# Allegro board LAY-95869_A.brd (continued)
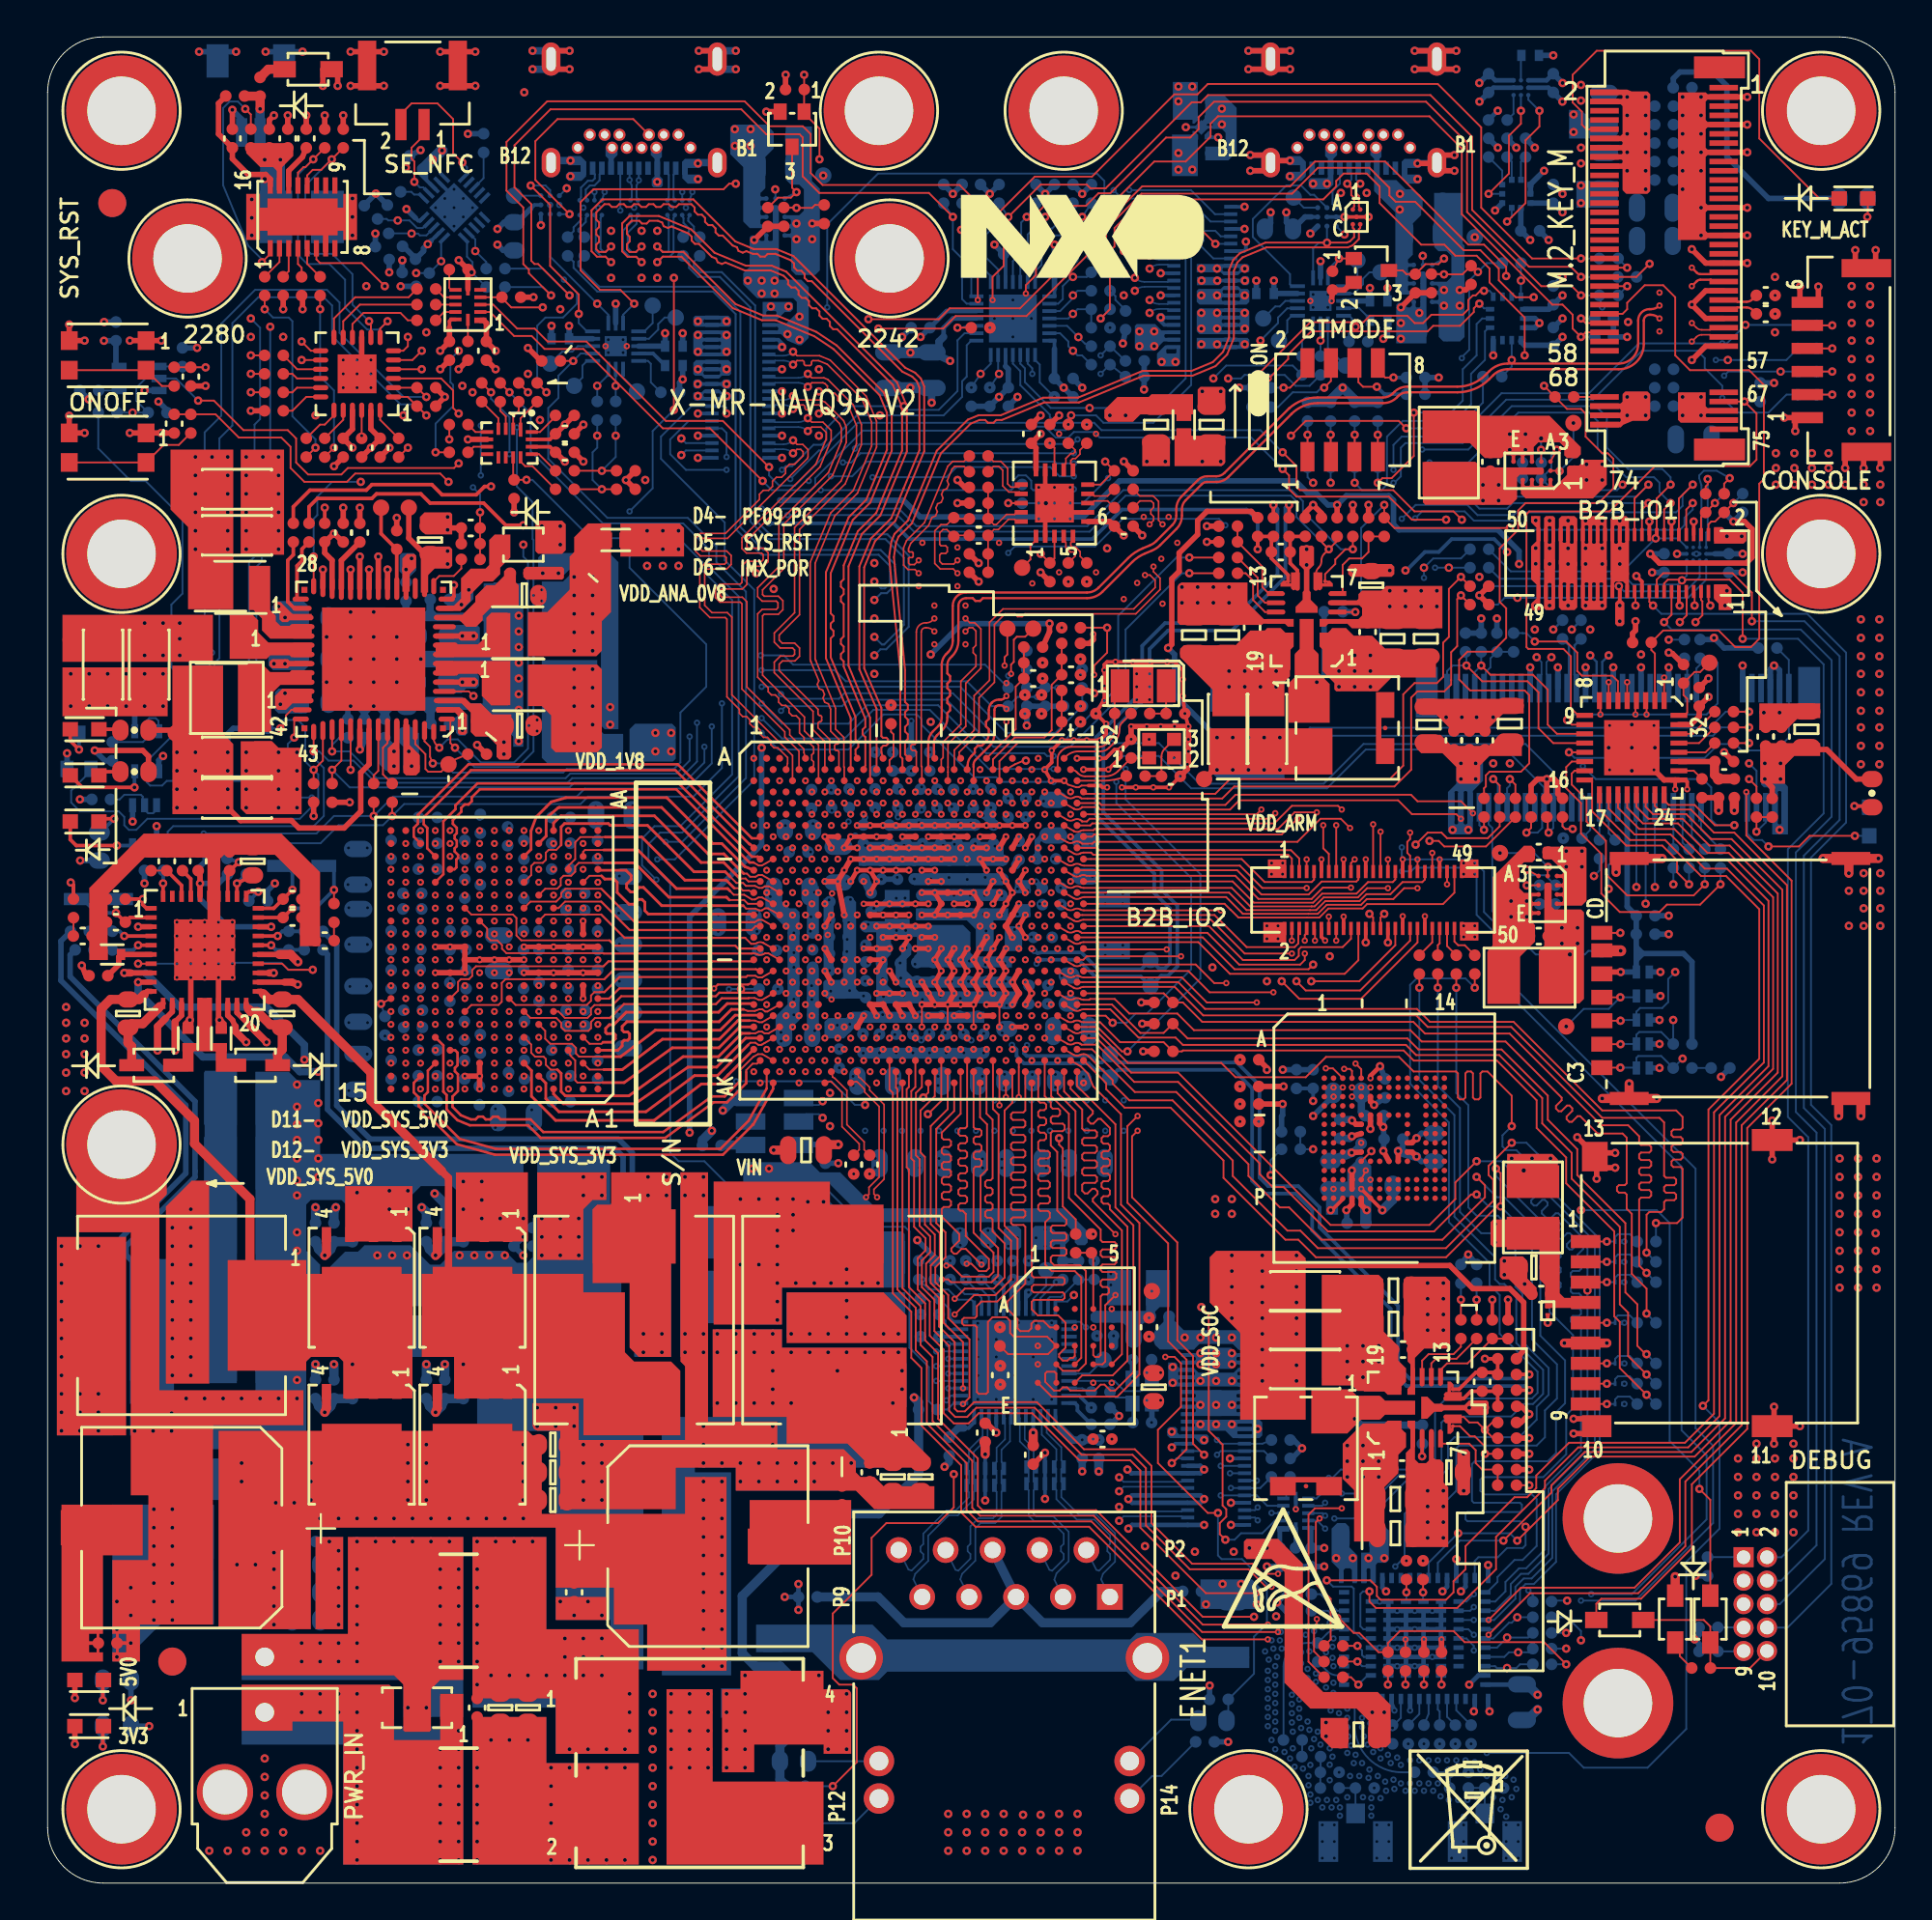
[diagram p0: board, top side]
## Routing (per net, layer and track width the routed paths; a pad name or vN(x,y) marks a point on that pad's centre or on a via; arc(x,y) is an arc through that point) (continued)
  BOTTOM w0.102: v3(54.49,80.5) 53.7,81.29 53.7,82.25 53.45,82.5 U31.8 ; R267.2 84.84,55.49 84.5,55.15 v1(84.5,53.85) ; v3(84.15,85.35) R196.2 v1(83,86)
M2_SMBUS_CLK: length 99.3
  TOP w0.102: v7(50.35,85.75) 50.35,89.35 53.43,92.43 56.53,92.43 60.99,96.89 62.24,96.89 62.8,97.45 75.25,97.45 77.6,95.1 77.6,90.75 80.35,88 v1(83,88)
  L4_GND2 w0.3: v7(50.35,85.75) v6(49.95,85.75)
  L7_GND3 w0.3: v7(50.35,85.75) v6(49.95,85.75)
  L8_IN2 w0.102: v3(82.04,56.6) 82.6,56.04 82.6,53.75 83,53.35 84.7,53.35 85.1,53.75 85.1,54.3 85.6,54.8 85.6,59.25 85.25,59.6 85.25,61.65 87.05,63.45 87.05,68.55 87.45,68.95 87.45,72.1 86.25,73.3 86.25,76.05 87.25,77.05 87.25,81.18 85.1,83.33 85.1,86.4 83.5,88 v1(83,88) ; v3(50,81.01) 50.35,81.36 v7(50.35,85.75)
  BOTTOM w0.102: R188.2 v1(83,88) ; U31.14 51.05,82.3 v2(50.5,81.75) v3(50,81.01)
M2_SMBUS_DATA: length 90.2
  TOP w0.102: v1(83,87) 82.45,87.55 80.2,87.55 80.18,87.57 80.17,87.57 77.11,90.63 77.11,94.59 74.85,96.85 62.81,96.85 62.42,96.46 61.93,96.46 57.27,91.8 56.45,91.8 56.25,92 53.75,92 51.75,90 51.75,87.6 51.15,87 v7(51.15,85.75)
  L4_GND2 w0.3: v7(51.15,85.75) v6(51.55,85.75)
  L7_GND3 w0.3: v7(51.15,85.75) v6(51.55,85.75)
  L8_IN2 w0.102: v1(83.7,54.55) 83.7,57.33 83.55,57.48 83.55,61.8 85.5,63.75 85.5,66.95 84.25,68.2 84.25,68.45 83.75,68.95 83.75,86.25 v1(83,87) ; v3(51,81.01) 51,81.5 50.85,81.65 50.85,85.45 v7(51.15,85.75)
  BOTTOM w0.102: R192.2 v1(83,87) ; v1(83.7,54.55) 84,54.85 R268.2 ; U31.13 51.45,81.8 v2(51.5,81.75) v3(51,81.01)
MIPI_CSI_CLK_N: length 41.1
  L3_IN1 w0.091: v4(43.47,57.89) 43.46,57.9 43.46,58.42 43.46,60.54 42.45,61.55 42.45,72.12 46.88,76.55 47.92,76.55 50.2,78.83 50.2,81.1 54.08,84.98 55.4,84.98 58.07,87.65 59.45,87.65 v1(59.65,87.45)
  BOTTOM w0.089: J14.17 60.69,87.6 60.62,87.67 60.17,87.67 arc(59.89,87.61) v1(59.65,87.45)
MIPI_CSI_CLK_P: length 41
  L3_IN1 w0.091: v4(43.12,58.5) 43.17,58.55 43.17,60.42 42.16,61.43 42.16,72.24 46.76,76.84 47.8,76.84 49.91,78.95 49.91,81.22 53.95,85.27 55.27,85.27 57.95,87.95 59.45,87.95 v1(59.65,88.15)
  BOTTOM w0.089: J14.15 60.69,88 60.62,87.93 60.17,87.93 arc(59.89,87.99) v1(59.65,88.15)
MIPI_CSI_D0_N: length 44.4
  L3_IN1 w0.091: v4(44.87,57.89) 44.87,64.5 44.15,65.22 44.15,71.45 44.65,71.96 45.58,71.96 47.28,73.66 50.23,73.66 52.35,75.77 52.35,76.79 52.44,76.88 53.19,76.88 53.45,77.14 53.45,77.75 53.19,78.02 52.44,78.02 52.35,78.11 52.35,79.1 55.55,82.3 55.84,82.3 57.12,81.01 57.5,81.01 57.93,81.44 57.93,81.81 56.65,83.09 56.65,83.4 57.79,84.54 58,84.54 58.17,84.71 58.17,84.92 58.5,85.25 59.45,85.25 v1(59.65,85.05)
  BOTTOM w0.089: J14.29 60.69,85.2 60.62,85.27 60.17,85.27 arc(59.89,85.21) v1(59.65,85.05)
MIPI_CSI_D0_P: length 44.2
  L3_IN1 w0.091: v4(44.52,58.5) 44.58,58.56 44.58,64.37 43.86,65.09 43.86,71.58 44.53,72.25 45.45,72.25 47.15,73.95 50.11,73.95 52.06,75.9 52.06,76.91 52.32,77.17 53.06,77.17 53.16,77.26 53.16,77.63 53.06,77.72 52.32,77.72 52.06,77.98 52.06,79.22 55.42,82.59 55.96,82.59 57.25,81.3 57.38,81.3 57.63,81.56 57.63,81.69 56.36,82.96 56.36,83.53 58.38,85.55 59.45,85.55 v1(59.65,85.75)
  BOTTOM w0.089: J14.27 60.69,85.6 60.62,85.53 60.17,85.53 arc(59.89,85.59) v1(59.65,85.75)
MIPI_CSI_D1_N: length 44.3
  L3_IN1 w0.091: v1(58.85,86.25) 58.65,86.45 58.12,86.45 57.52,85.86 57.52,85.64 57.35,85.47 57.13,85.47 56.47,84.81 56.47,84.59 56.3,84.42 56.08,84.42 55.17,83.5 54.8,83.5 54.41,83.89 54.28,83.89 54.02,83.63 54.02,83.5 54.41,83.11 54.41,82.74 53.98,82.31 53.6,82.31 53.22,82.69 53.09,82.69 52.83,82.43 52.83,82.31 53.21,81.92 53.21,81.55 52.82,81.15 51.45,81.15 51.09,80.79 51.09,78.13 50.83,77.87 50.48,77.87 50.38,77.77 50.38,77.41 50.48,77.32 50.83,77.32 51.09,77.05 51.09,75.95 50.35,75.2 46.71,75.2 43.3,71.79 43.3,62.91 43.45,62.77 43.45,62.52 43.3,62.37 43.3,62 43.51,61.79 43.72,61.79 43.89,61.62 43.89,61.41 44.07,61.23 44.07,60.83 44.22,60.67 44.22,60.42 44.07,60.27 44.07,60.02 44.22,59.88 44.22,59.62 44.07,59.48 44.07,59.21 v4(44.17,59.11)
  BOTTOM w0.089: J14.23 60.69,86.4 60.62,86.47 59.37,86.47 arc(59.09,86.41) v1(58.85,86.25)
MIPI_CSI_D1_P: length 44.6
  L3_IN1 w0.091: v1(58.85,86.95) 58.65,86.75 58,86.75 55.05,83.8 54.92,83.8 54.53,84.18 54.16,84.18 53.73,83.75 53.73,83.38 54.11,82.99 54.11,82.86 53.85,82.6 53.72,82.6 53.34,82.99 52.97,82.99 52.54,82.56 52.54,82.18 52.92,81.8 52.92,81.67 52.69,81.44 51.33,81.44 50.8,80.92 50.8,78.25 50.71,78.16 50.35,78.16 50.09,77.9 50.09,77.29 50.35,77.02 50.71,77.02 50.8,76.93 50.8,76.07 50.22,75.49 46.59,75.49 43.01,71.91 43.01,61.88 43.78,61.11 43.78,59.09 43.78,59.08 43.78,58.54 v4(43.82,58.5)
  BOTTOM w0.089: J14.21 60.69,86.8 60.62,86.73 59.37,86.73 arc(59.09,86.79) v1(58.85,86.95)
MIPI_CSI_D2_N: length 42.9
  L3_IN1 w0.091: v1(58.85,88.65) 58.65,88.85 58.06,88.85 57.71,88.71 57.68,88.68 57.68,88.46 57.5,88.29 57.29,88.29 57.11,88.11 57.11,87.9 56.93,87.72 56.72,87.72 56.54,87.54 56.54,87.33 56.37,87.16 56.16,87.16 55.07,86.07 53.89,86.07 49.1,81.28 49.1,79.95 47.23,78.08 46.85,78.08 46.56,78.37 46.43,78.37 46.17,78.11 46.17,77.98 46.47,77.69 46.47,77.32 41.6,72.45 41.6,63.5 41.75,63.35 41.75,63.1 41.6,62.95 41.6,62.7 41.75,62.55 41.75,62.3 41.6,62.15 41.6,61.9 41.75,61.75 41.75,61.5 41.6,61.35 41.6,61.1 42.08,60.62 42.29,60.62 42.47,60.44 42.47,60.23 42.77,59.93 42.77,59.14 v4(42.77,59.11)
  BOTTOM w0.089: J14.11 60.69,88.8 60.62,88.87 59.37,88.87 arc(59.09,88.81) v1(58.85,88.65)
MIPI_CSI_D2_P: length 43.1
  L3_IN1 w0.091: v1(58.85,89.35) 58.65,89.15 58,89.15 57.54,88.96 54.95,86.36 53.76,86.36 48.81,81.41 48.81,80.07 47.1,78.37 46.98,78.37 46.68,78.67 46.31,78.67 45.88,78.24 45.88,77.86 46.17,77.57 46.17,77.44 41.31,72.57 41.31,60.98 42.48,59.81 42.48,59.27 42.45,59.24 42.45,58.53 v4(42.42,58.5)
  BOTTOM w0.089: J14.9 60.69,89.2 60.62,89.13 59.37,89.13 arc(59.09,89.19) v1(58.85,89.35)
MIPI_CSI_D3_N: length 44.5
  L3_IN1 w0.091: v1(59.65,89.85) 59.45,90.05 59.05,90.05 58.91,89.9 58.66,89.9 58.51,90.05 57.79,90.05 57.62,89.88 57.62,89.71 57.4,89.49 57.23,89.49 55.75,88.01 55.41,87.87 55.33,87.68 55.1,87.58 54.91,87.66 53.42,87.05 52.9,86.61 49.54,83.25 48.8,83.25 48.2,82.65 48.2,81.4 44.78,77.98 44.78,76.81 40.75,72.78 40.75,60.66 42.06,59.35 42.06,57.89 v4(42.07,57.89)
  BOTTOM w0.089: J14.5 60.69,90 60.62,90.07 60.17,90.07 arc(59.89,90.01) v1(59.65,89.85)
MIPI_CSI_D3_P: length 44.2
  L3_IN1 w0.091: v1(59.65,90.55) 59.45,90.35 57.67,90.35 55.58,88.26 53.27,87.3 52.7,86.83 51.06,85.19 49.42,83.54 48.68,83.54 47.91,82.77 47.91,81.52 44.49,78.1 44.49,76.94 40.46,72.91 40.46,60.54 40.99,60 40.99,59.79 41.17,59.61 41.38,59.61 41.77,59.22 41.77,58.55 v4(41.72,58.5)
  BOTTOM w0.089: J14.3 60.69,90.4 60.62,90.33 60.17,90.33 arc(59.89,90.39) v1(59.65,90.55)
MIPI_DSICSI_CLK_N: length 29
  TOP w0.089: U12.C11 41.73,59.72 41.73,61.64 40.97,62.41 40.97,63.16 38.7,65.43 38.7,68.64 38.79,68.73 39.55,68.73 39.8,68.97 39.8,69.46 39.55,69.71 38.79,69.71 38.7,69.8 38.7,70.05 39.85,71.2 39.85,73.61 42.49,76.25 43.23,78.04 43.23,78.87 43.09,79.21 42.09,80.21 41.8,80.33 40.57,80.33 v1(40.35,80.55)
  BOTTOM w0.089: J15.17 39.31,80.4 39.38,80.33 39.83,80.33 arc(40.11,80.39) v1(40.35,80.55)
MIPI_DSICSI_CLK_P: length 28.9
  TOP w0.089: v1(40.35,79.85) 40.57,80.07 40.89,80.07 arc(40.97,80.03) 41,79.95 41,79.89 arc(41.03,79.83) 41.09,79.8 41.26,79.8 arc(41.32,79.83) 41.35,79.89 41.35,79.98 arc(41.38,80.04) 41.44,80.07 41.75,80.07 41.93,79.99 42.86,79.06 42.96,78.82 42.96,78.09 42.26,76.4 39.58,73.72 39.58,71.31 38.43,70.16 38.43,69.68 38.68,69.44 39.44,69.44 39.53,69.35 39.53,69.08 39.44,69 38.68,69 38.43,68.75 38.43,65.32 39,64.75 39,64.53 39.18,64.36 39.39,64.36 39.57,64.18 39.57,63.97 39.75,63.79 39.96,63.79 40.13,63.62 40.13,63.4 40.31,63.23 40.52,63.23 40.7,63.05 40.7,62.3 40.95,62.05 40.95,61.85 41.05,61.75 41.25,61.75 41.46,61.53 41.46,61.21 41.36,61.11 41.36,60.84 41.46,60.74 41.46,60.54 U12.B10
  BOTTOM w0.089: J15.15 39.31,80 39.38,80.07 39.83,80.07 arc(40.11,80.01) v1(40.35,79.85)
MIPI_DSICSI_D0_N: length 28.6
  TOP w0.089: v1(40.35,82.95) 40.57,82.73 41.78,82.73 42.36,82.49 44.31,80.54 44.87,79.18 44.87,77.78 43.83,75.28 42.61,74.06 41.55,71.49 41.55,66.3 41.58,66.22 41.58,66.22 42.6,63.75 42.65,63.64 42.65,62.51 43.1,62.06 43.1,60.46 43.12,60.44 U12.C15
  BOTTOM w0.089: J15.29 39.31,82.8 39.38,82.73 39.83,82.73 arc(40.11,82.79) v1(40.35,82.95)
MIPI_DSICSI_D0_P: length 28.5
  TOP w0.089: U12.B14 42.83,60.38 42.83,61.26 arc(42.81,61.32) 42.74,61.35 42.69,61.35 arc(42.63,61.38) 42.6,61.44 42.6,61.61 arc(42.63,61.67) 42.69,61.7 42.74,61.7 arc(42.81,61.73) 42.83,61.79 42.83,61.95 42.38,62.4 42.38,63.59 42.26,63.88 42.07,63.96 41.97,64.19 42.05,64.39 41.96,64.62 41.76,64.7 41.66,64.93 41.74,65.13 41.32,66.16 41.32,66.17 41.28,66.25 41.28,71.55 42.38,74.21 43.61,75.44 44.6,77.84 44.6,79.13 44.08,80.39 42.2,82.27 41.73,82.47 41.44,82.47 arc(41.38,82.44) 41.35,82.38 41.35,82.29 arc(41.32,82.23) 41.26,82.2 41.04,82.2 arc(40.98,82.23) 40.95,82.29 40.95,82.38 arc(40.92,82.44) 40.86,82.47 40.57,82.47 v1(40.35,82.25)
  BOTTOM w0.089: J15.27 39.31,82.4 39.38,82.47 39.83,82.47 arc(40.11,82.41) v1(40.35,82.25)
MIPI_DSICSI_D1_N: length 29.3
  TOP w0.089: v1(41.15,81.75) 41.37,81.53 42.02,81.53 42.23,81.45 43.61,80.07 44.05,79 44.05,77.91 43.17,75.79 40.7,73.32 40.7,68.7 39.6,67.6 39.6,67.33 39.76,67.17 40.43,67.17 40.7,66.9 40.7,66.45 40.45,66.2 39.78,66.2 39.6,66.02 39.6,65.68 41.7,63.58 41.7,63.34 arc(41.73,63.28) 41.79,63.25 41.81,63.25 arc(41.87,63.22) 41.9,63.16 41.9,62.99 arc(41.87,62.93) 41.81,62.9 41.79,62.9 arc(41.73,62.87) 41.7,62.81 41.7,62.58 42.34,61.94 42.34,61.28 U12.A13
  BOTTOM w0.089: J15.23 39.31,81.6 39.38,81.53 40.63,81.53 arc(40.91,81.59) v1(41.15,81.75)
MIPI_DSICSI_D1_P: length 29.5
  TOP w0.089: U12.B12 42.07,61.83 41.43,62.47 41.43,63.47 39.33,65.57 39.33,66.13 39.67,66.47 40.34,66.47 40.43,66.56 40.43,66.79 40.32,66.9 39.65,66.9 39.33,67.22 39.33,67.71 40.43,68.81 40.43,73.43 42.95,75.94 43.78,77.96 43.78,78.95 43.38,79.92 43.16,80.14 42.95,80.14 42.78,80.31 42.78,80.52 42.6,80.7 42.39,80.7 42.21,80.88 42.21,81.09 42.08,81.22 41.97,81.27 41.37,81.27 v1(41.15,81.05)
  BOTTOM w0.089: J15.21 39.31,81.2 39.38,81.27 40.63,81.27 arc(40.91,81.21) v1(41.15,81.05)
MIPI_DSICSI_D2_N: length 28.9
  TOP w0.089: v1(41.15,79.35) 41.37,79.13 41.97,79.13 42.41,78.69 42.41,78.16 41.81,76.71 37.85,72.75 37.85,72.4 37.94,72.31 38.75,72.31 39,72.06 39,71.57 38.75,71.33 37.94,71.33 37.85,71.24 37.85,70.34 37.6,70.1 36.51,70.1 36.42,70.01 36.42,69.74 36.51,69.65 37.6,69.65 37.85,69.41 37.85,64.79 40.17,62.47 40.17,62.19 40.94,61.42 40.94,61.24 U12.A9
  BOTTOM w0.089: J15.11 39.31,79.2 39.38,79.13 40.63,79.13 arc(40.91,79.19) v1(41.15,79.35)
MIPI_DSICSI_D2_P: length 29.1
  TOP w0.089: v1(41.15,78.65) 41.37,78.87 41.86,78.87 42.14,78.58 42.14,78.22 41.58,76.86 37.58,72.86 37.58,72.64 37.58,72.29 37.83,72.04 38.64,72.04 38.73,71.95 38.73,71.68 38.64,71.6 37.83,71.6 37.58,71.35 37.58,70.45 37.49,70.36 36.4,70.36 36.15,70.12 36.15,69.63 36.4,69.38 37.49,69.38 37.58,69.3 37.58,64.68 39.9,62.36 39.9,62.08 40.67,61.31 U12.B8
  BOTTOM w0.089: J15.9 39.31,78.8 39.38,78.87 40.63,78.87 arc(40.91,78.81) v1(41.15,78.65)
MIPI_DSICSI_D3_N: length 28.7
  TOP w0.089: v1(40.35,78.15) 40.57,77.93 40.87,77.93 41.16,77.64 41.16,77.25 41.12,77.16 36.8,72.84 35.45,72.84 35.35,72.74 35.35,72.24 35.44,72.15 36.75,72.15 37,71.91 37,71.42 36.75,71.18 35.66,71.18 35.57,71.09 35.57,69.21 35.96,68.82 36.79,68.82 37.04,68.57 37.04,64.36 40.32,61.08 U12.C7
  BOTTOM w0.089: J15.5 39.31,78 39.38,77.93 39.83,77.93 arc(40.11,77.99) v1(40.35,78.15)
MIPI_DSICSI_D3_P: length 28.6
  TOP w0.089: U12.B6 40.05,60.65 40.05,60.97 39.53,61.49 39.32,61.49 39.14,61.67 39.14,61.88 38.97,62.06 38.75,62.06 38.58,62.23 38.58,62.45 38.4,62.62 38.19,62.62 38.01,62.8 38.01,63.01 37.83,63.19 37.62,63.19 37.44,63.37 37.44,63.58 36.77,64.25 36.77,68.46 36.68,68.55 35.85,68.55 35.3,69.1 35.3,71.2 35.55,71.44 36.64,71.44 36.73,71.53 36.73,71.8 36.64,71.89 35.33,71.89 35.08,72.13 35.08,72.85 35.34,73.11 36.69,73.11 38.53,74.95 38.53,75.23 38.74,75.44 39.03,75.44 39.24,75.65 39.24,75.94 39.45,76.15 39.73,76.15 39.94,76.36 39.94,76.64 40.16,76.86 40.44,76.86 40.89,77.31 40.89,77.53 40.76,77.66 40.56,77.66 v1(40.35,77.45)
  BOTTOM w0.089: J15.3 39.31,77.6 39.38,77.67 39.83,77.67 arc(40.11,77.61) v1(40.35,77.45)
MX_POR_B: length 10.8
  L3_IN1 w0.102: v5(55,64.9) 55,64.84 54.5,63.76 54.5,62.85 53.35,61.7 52.65,61.7 52.31,61.36 52.31,59.37 v4(52.57,59.11)
  L4_GND2 w0.3: v6(54.65,65.15) v5(55,64.9)
  L7_GND3 w0.3: v9(54.65,64.75) v6(54.65,65.15)
  BOTTOM w0.102: C181.1 R248.2 R249.2 v9(54.65,64.75)
ONOFF: length 68
  TOP w0.102: v1(21.7,75.9) 21.25,76.35 16.65,76.35 16.2,75.9 13.9,75.9 13.15,76.65 13.15,77.8 12.65,78.3 10.35,78.3 9.09,79.56 R38.2 C9.1
  L3_IN1 w0.102: v5(54.35,64.25) 54.15,64.05 54.15,62.85 53.24,61.94 52.44,61.94 52.07,61.57 52.07,58.99 51.87,58.51 v4(51.87,57.89) ; v9(38.65,65.7) 38.95,66 38.95,66.75 37.05,68.65 31.25,68.65 30.82,68.22 25.32,68.22 23.9,69.65 23.9,74.3 23.35,74.85 22.75,74.85 v1(21.7,75.9)
  L4_GND2 w0.3: v6(53.95,64.25) v5(54.35,64.25) ; v9(38.65,65.7) v6(39.05,65.7)
  L7_GND3 w0.3: v9(38.65,65.7) v6(39.05,65.7) ; v9(53.55,64.25) v6(53.95,64.25)
  BOTTOM w0.102: v9(38.65,65.7) 42.6,65.7 43.2,65.1 49.75,65.1 51.1,63.75 R251.2 52,63.75 52.5,64.25 v9(53.55,64.25)
P3H_CP_SEL: length 76.5
  TOP w0.102: v1(57,84.75) 57.5,85.25 57.5,88.4 57.75,88.65 57.75,89.65 59.3,91.2 69.05,91.2 69.75,91.9 69.75,92.2 70.15,92.6 71.4,92.6 72.1,91.9 72.1,91 74.35,88.75 75.6,88.75 76.2,88.15 77.35,88.15 78.05,87.45 78.05,86.7 79.95,84.8 v1(79.95,82.75) ; U10.24 87.5,58.65 87.75,58.4 89.15,58.4 90.25,57.3 v1(91.3,57.3)
  L8_IN2 w0.102: v1(79.95,82.75) 79.95,80.6 82.75,77.8 82.75,69.16 83.1,68.81 83.44,68.81 83.7,68.55 83.7,68.25 85.2,66.75 85.2,64.15 83.1,62.05 v3(83.1,60.5)
  BOTTOM w0.102: v1(57,84.75) 57.5,85.25 R197.1 ; v3(83.1,60.5) 83.8,59.8 89.6,59.8 90.05,59.35 90.05,57.6 90.35,57.3 v1(91.3,57.3)
PCIE1_CLKIN_N: length 27.7
  TOP w0.089: R48.2 49.6,77.01 48.99,77.01 48.73,76.75 47.46,73.69 46.49,72.72 46.33,72.33 46.33,71.39 46.57,71.15 46.95,71.15 v4(47.15,70.95) ; U12.C31 48.74,59.73 48.74,60.18 48.74,60.46 48.74,60.46 48.74,61.7 49.7,62.66 49.7,64.99 50.52,65.81 50.52,67.93 50.18,68.27 49.92,68.27 v4(49.68,68.5)
  L3_IN1 w0.091: v4(47.15,70.95) 47.3,71.1 arc(47.36,71.14) 47.43,71.15 47.54,71.15 arc(47.97,71.33) 48.15,71.76 48.15,71.86 arc(48.18,72.04) 48.28,72.18 48.56,72.46 arc(48.83,72.64) 49.15,72.71 49.67,72.71 arc(49.91,72.66) 50.11,72.52 50.62,72.01 arc(50.82,71.72) 50.89,71.38 50.89,69.37 arc(50.83,69.08) 50.66,68.82 50.17,68.33 arc(50.13,68.31) 50.08,68.3 49.94,68.3 arc(49.89,68.31) 49.84,68.34 v4(49.68,68.5)
PCIE1_CLKIN_P: length 27.6
  TOP w0.089: R51.2 49.6,76.74 49.1,76.74 48.96,76.6 48.69,75.96 48.77,75.76 48.68,75.53 48.48,75.45 48.39,75.22 48.47,75.02 48.37,74.79 48.18,74.71 48.08,74.48 48.16,74.29 48.07,74.05 47.87,73.97 47.69,73.54 46.72,72.57 46.6,72.28 46.6,72.15 46.65,72.1 46.8,72.1 46.85,72.05 46.85,71.85 46.8,71.8 46.65,71.8 46.6,71.75 46.6,71.5 46.68,71.42 46.92,71.42 v4(47.15,71.65) ; U12.B30 48.37,60.86 48.47,60.96 48.47,61.81 49.43,62.77 49.43,65.1 50.25,65.92 50.25,66.5 50.1,66.65 50.1,66.9 50.25,67.05 50.25,67.82 50.07,68 49.88,68 v4(49.68,67.8)
  L3_IN1 w0.091: v4(47.15,71.65) 47.29,71.51 arc(47.36,71.46) 47.45,71.45 47.54,71.45 arc(47.76,71.54) 47.86,71.76 47.86,71.86 arc(47.91,72.15) 48.07,72.39 48.35,72.67 arc(48.72,72.91) 49.15,73 49.67,73 arc(50.02,72.93) 50.32,72.73 50.83,72.22 arc(51.09,71.83) 51.18,71.38 51.18,69.37 arc(51.1,68.96) 50.87,68.62 50.38,68.13 arc(50.24,68.04) 50.08,68.01 49.94,68.01 arc(49.89,68) 49.85,67.97 v4(49.68,67.8)
PCIE1_CLKIN_R_N: length 3
  TOP w0.089: U7.16 52.57,75.62 52.14,75.62 51.97,75.79 51.97,76.63 51.59,77.01 51.2,77.01 R48.1
PCIE1_CLKIN_R_P: length 3
  TOP w0.089: U7.17 52.6,75.35 52.03,75.35 51.7,75.68 51.7,76.52 51.48,76.74 51.2,76.74 R51.1
PCIE1_CLKREQ_B: length 43.4
  TOP w0.102: U7.18 v1(52,74.75) ; v7(60.57,50.57) 56.12,50.57 U12.V52
  L4_GND2 w0.3: v7(60.57,50.57) v6(60.57,50.17)
  L7_GND3 w0.3: v7(60.57,50.57) v6(60.57,50.17)
  L8_IN2 w0.102: v7(60.57,50.57) 60.57,54.02 62.3,55.75 62.3,62.5 61.6,63.2 61.6,67.2 63.5,69.1 63.5,72.6 63.05,73.05 62.5,73.05 60,75.55 57.95,75.55 v3(57.4,76.1)
  BOTTOM w0.102: v1(52,74.75) 52.01,74.74 R238.2 v2(54.04,74.74) 56.04,74.74 v3(57.4,76.1)
PCIE1_RX0_N: length 62.8
  TOP w0.127: J1.41 90.12,87.25 90.03,87.15 89.45,87.15 arc(89.36,87.17) 89.28,87.22 v4(89,87.5) ; U12.A29 47.97,60.97 47.97,61.77 arc(48.02,61.99) 48.14,62.17 48.42,62.45 arc(48.63,62.76) 48.7,63.12 48.7,63.37 48.85,63.52 48.85,63.77 48.7,63.92 48.7,64.17 48.85,64.32 48.85,64.57 48.7,64.72 48.7,64.97 48.85,65.12 48.85,65.37 48.7,65.52 48.7,65.97 arc(48.74,66.18) 48.86,66.36 48.96,66.46 arc(49.21,66.84) 49.3,67.29 49.3,69.18 arc(49.42,69.48) 49.72,69.6 50.08,69.6 50.23,69.45 50.48,69.45 50.62,69.6 56.25,69.6 arc(56.71,69.69) 57.1,69.95 58.71,71.55 arc(59.03,71.82) 59.39,72.01 59.78,72.18 arc(60.02,72.3) 60.23,72.48 61.1,73.35 arc(61.32,73.68) 61.4,74.07 61.4,74.42 arc(61.45,74.68) 61.59,74.89 62.48,75.78 arc(62.61,75.86) 62.76,75.9 63.26,75.9 arc(63.62,75.97) 63.91,76.16 67.33,79.58 arc(67.98,80.01) 68.74,80.17 72.29,80.17 arc(72.69,80.25) 73.04,80.47 73.12,80.55 arc(73.33,80.7) 73.59,80.75 76.31,80.75 arc(77.24,80.94) 78.03,81.46 78.25,81.68 arc(78.61,81.92) 79.02,82 85.04,82 arc(86,82.4) 86.4,83.36 86.4,84.64 arc(86.49,84.86) 86.71,84.95 86.77,84.95 arc(87.03,84.9) v4(87.25,84.75)
  L3_IN1 w0.127: v4(89,87.5) 88.82,87.32 arc(88.63,87.19) 88.42,87.15 86.69,87.15 arc(86.22,86.95) 86.02,86.48 86.02,85.49 arc(86.18,85.11) 86.56,84.95 86.77,84.95 arc(87.03,84.9) v4(87.25,84.75)
PCIE1_RX0_P: length 62.7
  TOP w0.127: U12.B28 47.67,60.32 47.67,61.07 47.67,61.07 47.67,61.77 arc(47.74,62.1) 47.92,62.38 48.21,62.67 arc(48.35,62.88) 48.4,63.12 48.4,65.97 arc(48.46,66.3) 48.65,66.58 48.74,66.67 arc(48.93,66.95) 49,67.29 49,69.18 arc(49.21,69.69) 49.72,69.9 56.25,69.9 arc(56.6,69.97) 56.89,70.17 58.49,71.77 arc(58.86,72.07) 59.27,72.3 59.66,72.46 arc(59.85,72.56) 60.01,72.69 60.88,73.57 arc(61.04,73.8) 61.1,74.07 61.1,74.42 arc(61.17,74.8) 61.38,75.11 62.26,75.99 arc(62.49,76.15) 62.76,76.2 63.26,76.2 arc(63.5,76.25) 63.7,76.38 67.2,79.89 67.21,79.89 arc(67.92,80.32) 68.74,80.47 72.29,80.47 arc(72.58,80.53) 72.82,80.69 72.9,80.77 arc(73.22,80.98) 73.59,81.05 76.31,81.05 arc(77.13,81.22) 77.82,81.68 78.04,81.9 arc(78.49,82.2) 79.02,82.3 85.04,82.3 arc(85.79,82.61) 86.1,83.36 86.1,84.64 arc(86.28,85.07) 86.71,85.25 86.79,85.25 arc(87.03,85.3) 87.24,85.44 v4(87.25,85.45) ; J1.43 90.12,86.75 90.03,86.85 89.46,86.85 arc(89.36,86.83) 89.27,86.77 v4(89,86.5)
  L3_IN1 w0.127: v4(89,86.5) 88.83,86.67 arc(88.66,86.78) 88.47,86.82 86.69,86.82 arc(86.45,86.72) 86.35,86.48 86.35,86.37 arc(86.4,86.25) 86.52,86.2 86.53,86.2 arc(86.65,86.15) 86.7,86.03 86.7,85.89 arc(86.65,85.77) 86.54,85.72 86.51,85.72 arc(86.4,85.68) 86.35,85.56 86.35,85.49 arc(86.41,85.34) 86.56,85.28 86.84,85.28 arc(87.06,85.32) v4(87.25,85.45)
PCIE1_TX0_N: length 64.1
  L3_IN1 w0.127: v4(93.51,86) 93.75,85.75 arc(93.85,85.69) 93.96,85.67 94.04,85.67 arc(94.45,85.5) 94.62,85.08 94.62,83.68 arc(94.54,83.26) 94.3,82.9 93.38,81.98 arc(93.08,81.78) 92.74,81.71 83.82,81.71 arc(83.36,81.62) 82.97,81.36 82.46,80.85 arc(81.8,80.41) 81.01,80.25 65.97,80.25 arc(65,80.06) 64.17,79.51 59.07,74.4 arc(57.29,73.22) 55.2,72.8 54.31,72.8 arc(53.28,72.37) 52.85,71.34 52.85,70.36 arc(52.64,69.29) 52.03,68.38 49.43,65.78 arc(48.8,64.84) 48.58,63.73 48.58,61.33 arc(48.64,61.19) 48.78,61.13 arc(48.9,61.08) 48.95,60.97 48.95,60.82 arc(48.89,60.69) 48.76,60.63 48.75,60.63 arc(48.63,60.58) 48.58,60.46 48.58,60.08 48.35,59.85 48.35,59.13 v4(48.37,59.11)
PCIE1_TX0_P: length 64.1
  L3_IN1 w0.127: v4(93.51,85) 93.75,85.24 arc(93.86,85.31) 93.98,85.34 94.04,85.34 arc(94.22,85.26) 94.29,85.08 94.29,84.78 94.14,84.62 94.14,84.38 94.29,84.22 94.29,83.68 arc(94.24,83.39) 94.07,83.14 93.76,82.82 93.54,82.82 93.37,82.65 93.37,82.43 93.14,82.21 arc(92.96,82.09) 92.74,82.04 92.25,82.04 92.09,82.19 91.84,82.19 91.69,82.04 83.82,82.04 arc(83.23,81.93) 82.74,81.59 82.23,81.09 arc(81.67,80.71) 81.01,80.58 65.97,80.58 arc(64.87,80.36) 63.94,79.74 58.84,74.64 arc(57.17,73.52) 55.2,73.13 54.31,73.13 arc(53.05,72.6) 52.52,71.34 52.52,70.36 arc(52.33,69.41) 51.79,68.61 49.19,66.01 arc(48.5,64.97) 48.25,63.73 48.25,60.22 48.02,59.99 v4(48.02,58.5)
PCIE2_CLKIN_N: length 27
  TOP w0.089: v4(59.65,73.6) 59.87,73.82 59.87,74.02 59.72,74.17 59.72,74.37 59.87,74.52 59.87,74.73 59.73,74.87 59.12,74.87 R57.2 ; U12.A33 49.35,61 49.35,61.26 50.42,62.33 50.42,64.21 51.25,65.04 51.25,68.17 51.83,68.75 52.35,68.75 52.51,68.6 52.76,68.6 52.91,68.75 58.9,68.75 60.22,70.07 60.22,70.68 59.86,71.04 v4(59.86,71.31)
  L3_IN1 w0.091: v4(59.86,71.31) 59.86,71.06 59.94,70.98 60.02,70.89 60.28,70.89 60.66,71.27 60.66,72.04 60.4,72.3 60.3,72.3 60,72 59.9,72 59.75,72.15 59.75,72.25 60.05,72.55 60.05,72.65 59.85,72.85 59.85,73.4 v4(59.65,73.6)
PCIE2_CLKIN_P: length 27.3
  TOP w0.089: R55.2 59.12,75.13 59.84,75.13 60.13,74.84 60.13,73.82 v4(60.35,73.6) ; v4(59.4,70.85) 59.67,70.85 59.67,70.85 59.95,70.57 59.95,70.18 58.79,69.02 51.72,69.02 50.98,68.28 50.98,65.15 50.15,64.32 50.15,62.44 49.08,61.37 49.08,60.32 U12.B32
  L3_IN1 w0.091: v4(60.35,73.6) 60.14,73.39 60.14,72.97 60.95,72.17 60.95,71.15 60.4,70.6 59.9,70.6 59.65,70.85 v4(59.4,70.85)
PCIE2_CLKIN_R_N: length 1.6
  TOP w0.089: U7.8 56.54,74.75 56.66,74.87 57.38,74.87 R57.1
PCIE2_CLKIN_R_P: length 1.6
  TOP w0.089: R55.1 57.38,75.13 56.67,75.13 56.55,75.25 U7.9
PCIE2_CLKREQ_B: length 42.3
  TOP w0.102: v1(57.25,77) R50.2 56.99,75.75 U7.10 ; U12.W51 56.06,50.01 56.25,50.2 v7(61.35,50.2)
  L4_GND2 w0.3: v7(61.35,50.2) v6(61.35,49.8)
  L7_GND3 w0.3: v7(61.35,50.2) v6(61.35,49.8)
  L8_IN2 w0.102: v7(61.35,50.2) 61.35,54.3 62.6,55.55 62.6,62.85 61.9,63.55 61.9,67 62.45,67.55 62.8,67.55 64.4,69.15 64.4,70.85 63.9,71.35 63.9,72.9 60.85,75.95 58.29,75.95 v1(57.25,77)
PCIE2_RX0_N: length 43.8
  TOP w0.1: 50.12,60.46 50.12,59.72 U12.C35
  TOP w0.125: 50.12,60.58 50.12,60.47 50.12,60.46
  TOP w0.127: v4(51.9,63.6) 51.78,63.72 arc(51.69,63.78) 51.58,63.8 51.5,63.8 arc(51.41,63.78) 51.33,63.73 51.33,63.73 arc(51.27,63.64) 51.25,63.54 51.25,62.25 arc(51.18,61.89) 50.97,61.58 50.23,60.84 arc(50.15,60.72) 50.12,60.58
  L3_IN1 w0.127: v1(84.5,66.5) 84.22,66.22 arc(84.18,66.16) 84.17,66.09 84.17,65.98 arc(84.09,65.6) 83.87,65.27 81.98,63.38 arc(80.64,62.48) 79.06,62.17 75.01,62.17 arc(74.55,62.26) 74.16,62.52 74.16,62.52 arc(73.94,62.67) 73.69,62.72 61.31,62.72 arc(60.17,62.95) 59.21,63.59 57.01,65.79 arc(56.87,65.89) 56.7,65.92 55.75,65.92 arc(55.18,65.81) 54.7,65.48 53.16,63.94 arc(52.97,63.82) 52.76,63.77 52.32,63.77 arc(52.09,63.73) v4(51.9,63.6)
  BOTTOM w0.127: v1(84.5,66.5) 84.15,66.15 84.15,65.45 84.25,65.35 J16.41
PCIE2_RX0_P: length 43.5
  TOP w0.127: U12.B34 49.8,60.35 49.8,60.54 arc(49.85,60.82) 50.01,61.05 50.19,61.23 50.19,61.44 50.36,61.62 50.58,61.62 50.76,61.8 arc(50.9,62.01) 50.95,62.25 50.95,62.5 50.8,62.65 50.8,62.9 50.95,63.05 50.95,63.54 arc(50.99,63.76) 51.11,63.94 51.12,63.95 arc(51.29,64.06) 51.5,64.1 51.61,64.1 arc(51.7,64.12) 51.77,64.17 v4(51.9,64.3)
  L3_IN1 w0.127: v1(83.5,66.5) 83.78,66.22 arc(83.82,66.16) 83.83,66.08 83.83,65.98 arc(83.78,65.72) 83.64,65.5 81.75,63.61 arc(80.51,62.79) 79.06,62.5 75.01,62.5 arc(74.68,62.57) 74.39,62.76 arc(74.07,62.97) 73.69,63.05 61.31,63.05 arc(60.3,63.25) 59.45,63.82 57.24,66.02 arc(56.99,66.19) 56.7,66.25 55.75,66.25 arc(55.06,66.11) 54.47,65.72 53.49,64.74 53.28,64.74 53.1,64.56 53.1,64.35 52.93,64.18 arc(52.85,64.12) 52.76,64.11 52.37,64.11 arc(52.12,64.16) v4(51.9,64.3)
  BOTTOM w0.127: v1(83.5,66.5) 83.85,66.15 83.85,65.45 83.75,65.35 J16.43
PCIE2_TX0_N: length 45.4
  L3_IN1 w0.127: v4(49.07,57.89) 49.07,57.9 49.07,58.84 49.68,59.45 arc(49.83,59.67) 49.88,59.94 49.88,64.57 arc(49.93,64.81) 50.07,65.02 51.41,66.36 arc(52.01,66.76) 52.72,66.9 56.88,66.9 arc(57.61,66.75) 58.23,66.34 58.82,65.75 arc(60.88,64.38) 63.3,63.89 79.93,63.89 arc(80.87,64.08) 81.66,64.61 82.26,65.21 arc(82.47,65.52) 82.54,65.88 82.54,66.23 arc(82.48,66.54) 82.3,66.81 arc(82.2,66.96) 82.17,67.13 82.17,67.46 arc(82.18,67.56) 82.24,67.64 v1(82.5,67.9)
  BOTTOM w0.127: v1(82.5,67.9) 83,68.4 C176.1
PCIE2_TX0_P: length 45.6
  L3_IN1 w0.127: v4(48.72,58.5) 48.74,58.52 48.74,58.98 48.85,59.09 48.85,59.25 48.65,59.45 48.65,59.6 48.8,59.75 48.95,59.75 49.15,59.55 49.31,59.55 49.45,59.68 arc(49.52,59.8) 49.55,59.94 49.55,64.57 arc(49.62,64.94) 49.83,65.25 51.18,66.59 arc(51.88,67.06) 52.72,67.23 56.88,67.23 arc(57.74,67.06) 58.46,66.57 59.05,65.98 arc(61,64.68) 63.3,64.22 79.93,64.22 arc(80.74,64.39) 81.43,64.84 82.03,65.45 arc(82.16,65.65) 82.21,65.88 82.21,66.23 arc(82.17,66.42) 82.07,66.58 arc(81.89,66.83) 81.83,67.13 81.83,67.46 arc(81.81,67.56) 81.76,67.64 v1(81.5,67.9)
  BOTTOM w0.127: v1(81.5,67.9) 82,68.4 C177.1
PCIE_CLKOUT_C_N: length 3.9
  TOP w0.089: U7.19 52.46,74.25 52.34,74.13 51.9,74.13 51.35,73.58 51.22,73.58 C21.2 R56.1 R52.2
PCIE_CLKOUT_C_P: length 4.2
  TOP w0.089: R78.2 R75.1 C27.2 51.22,73.32 51.46,73.32 52.01,73.87 52.34,73.87 52.46,73.75 U7.20
PCIE_CLKOUT_N: length 18.7
  TOP w0.089: C21.1 49.11,73.9 R60.1 48.68,73.58 48.36,73.58 48.02,73.25 48.02,71.48 48.32,71.18 49.02,71.18 v4(49.25,70.95) ; v4(48,67.8) 47.96,67.84 arc(47.78,67.96) 47.57,68 47.52,68 arc(47.36,67.93) 47.29,67.77 47.29,60.5 47.32,60.47 U12.C27
  L3_IN1 w0.091: v4(49.25,70.95) 49.1,71.1 arc(49.04,71.14) 48.97,71.15 48.92,71.15 arc(48.8,71.1) 48.75,70.98 48.75,68.41 arc(48.63,68.12) 48.34,68 48.28,68 arc(48.21,67.99) 48.15,67.95 v4(48,67.8)
PCIE_CLKOUT_P: length 18.7
  TOP w0.089: v4(48,68.5) 47.9,68.4 arc(47.75,68.3) 47.58,68.27 47.52,68.27 arc(47.17,68.12) 47.02,67.77 47.02,61.76 46.94,61.67 46.8,61.67 46.73,61.6 46.73,61.44 46.81,61.35 46.95,61.35 47.02,61.28 47.02,60.37 U12.B26 ; C27.1 49.11,73 R60.2 48.68,73.32 48.47,73.32 48.29,73.14 48.29,72.51 48.36,72.44 48.61,72.44 48.7,72.35 48.7,72.11 48.61,72.03 48.38,72.03 48.29,71.94 48.29,71.59 48.43,71.45 49.05,71.45 v4(49.25,71.65)
  L3_IN1 w0.091: v4(49.25,71.65) 49.09,71.49 arc(49.04,71.46) 48.99,71.45 48.92,71.45 arc(48.59,71.31) 48.46,70.98 48.46,68.41 arc(48.42,68.33) 48.34,68.3 48.28,68.3 arc(48.21,68.31) 48.15,68.35 v4(48,68.5)
PF09_FCCU0: length 89.1
  TOP w0.102: v1(23.05,64.3) 22.8,64.55 U9.4
  L3_IN1 w0.102: v4(53.27,55.47) 53.84,55.8 53.85,55.8 54.12,55.8 54.23,55.74 54.47,55.74 54.84,56.1 56.05,56.1 56.35,56.4 58.1,56.4 v7(59.25,57.55) ; v9(23.45,76.25) 23.45,75.6 24.7,74.35 24.7,70.55 25.5,69.75 v5(25.5,69.71)
  L4_GND2 w0.3: v7(59.25,57.55) v6(59.25,57.95) ; v9(23.45,76.25) v6(23.05,76.25) ; v5(25.5,69.71) v6(25.75,70.05)
  L7_GND3 w0.3: v9(23.45,76.25) v6(23.05,76.25) ; v7(25.5,69.7) v6(25.75,70.05) ; v7(59.25,57.55) v6(59.25,57.95)
  L8_IN2 w0.102: v7(25.5,69.7) 24.45,68.65 24.45,64.8 23.95,64.3 v1(23.05,64.3) ; v3(23.45,78.95) 24.05,79.55 25.83,79.55 26.45,80.17 27.02,80.17 27.7,80.85 31.05,80.85 32.85,82.65 32.85,82.85 33.4,83.4 37.9,83.4 39.7,85.2 39.7,85.6 40,85.9 40.5,85.9 43.08,83.33 44.98,83.33 46.35,81.95 47.4,81.95 55.3,74.05 58.8,74.05 59.65,73.2 59.65,70.9 58.8,70.05 58.8,62.8 59.5,62.1 59.5,57.8 v7(59.25,57.55)
  BOTTOM w0.102: v9(23.45,76.25) v3(23.45,78.95)
PF09_FS0B: length 5
  TOP w0.102: 19.9,62.48 19.9,61.7 20.45,61.15 20.45,60.35 20.6,60.2 21.3,60.2 TP16.1 21.9,60.8 R100.2
PF09_INT_B: length 35.9
  TOP w0.102: v1(12.6,62.55) 12.9,62.85 12.9,63.25 13.2,63.55 U9.41 ; v1(19.5,83.75) 19.5,83.25 19.25,83 U4.6
  L8_IN2 w0.102: v1(11,84.75) 15.85,84.75 16.85,83.75 v1(19.5,83.75)
  BOTTOM w0.102: v1(12.6,62.55) R258.2 11.9,62.55 10.9,63.55 10.9,71.55 11.2,71.85 11.2,79 11.5,79.3 11.5,84.25 v1(11,84.75)
PF09_PG: length 58.8
  TOP w0.102: U9.44 14.9,60.8 v1(14.4,60.3) R107.2 ; v1(20.25,83) 19.75,82.5 U4.5
  L8_IN2 w0.102: v1(20.25,83) 16.35,83 15.05,84.3 v1(12.05,84.3)
  BOTTOM w0.102: v1(12.05,84.3) 12.05,76.85 11.6,76.4 11.6,71.6 11.3,71.3 11.3,63.95 12.25,63 13.55,63 13.95,62.6 13.95,60.75 v1(14.4,60.3) 14.65,60.05 14.65,58.65 13.65,57.65 5.4,57.65 4.8,57.05 4.4,57.05 4.15,57.3 4.15,57.75 3.85,58.05 1.75,58.05 1.27,58.52 1.27,59.17 2.35,60.25 Q7.1
PF09_XRST_B: length 40.1
  TOP w0.102: 16.4,62.48 v1(16.4,60.3)
  L8_IN2 w0.102: v3(14.3,58.8) 14.9,58.8 v1(16.4,60.3)
  BOTTOM w0.102: U33.4 R214.2 2.76,79.67 R230.1 2.74,77.71 4.51,75.94 5.31,75.94 7.3,73.95 7.3,69.85 6.7,69.25 6.7,65.85 6.97,65.58 6.97,62.38 5.37,60.77 Q8.2 5.37,59.63 5.55,59.45 6.2,59.45 6.45,59.7 10.95,59.7 11.85,58.8 v3(14.3,58.8)
